# KiCad board GDI-4ch.kicad_pcb
title: GDI 4ch; date: 2023-05-14; rev: Rev. d; company: http://rusefi.com/
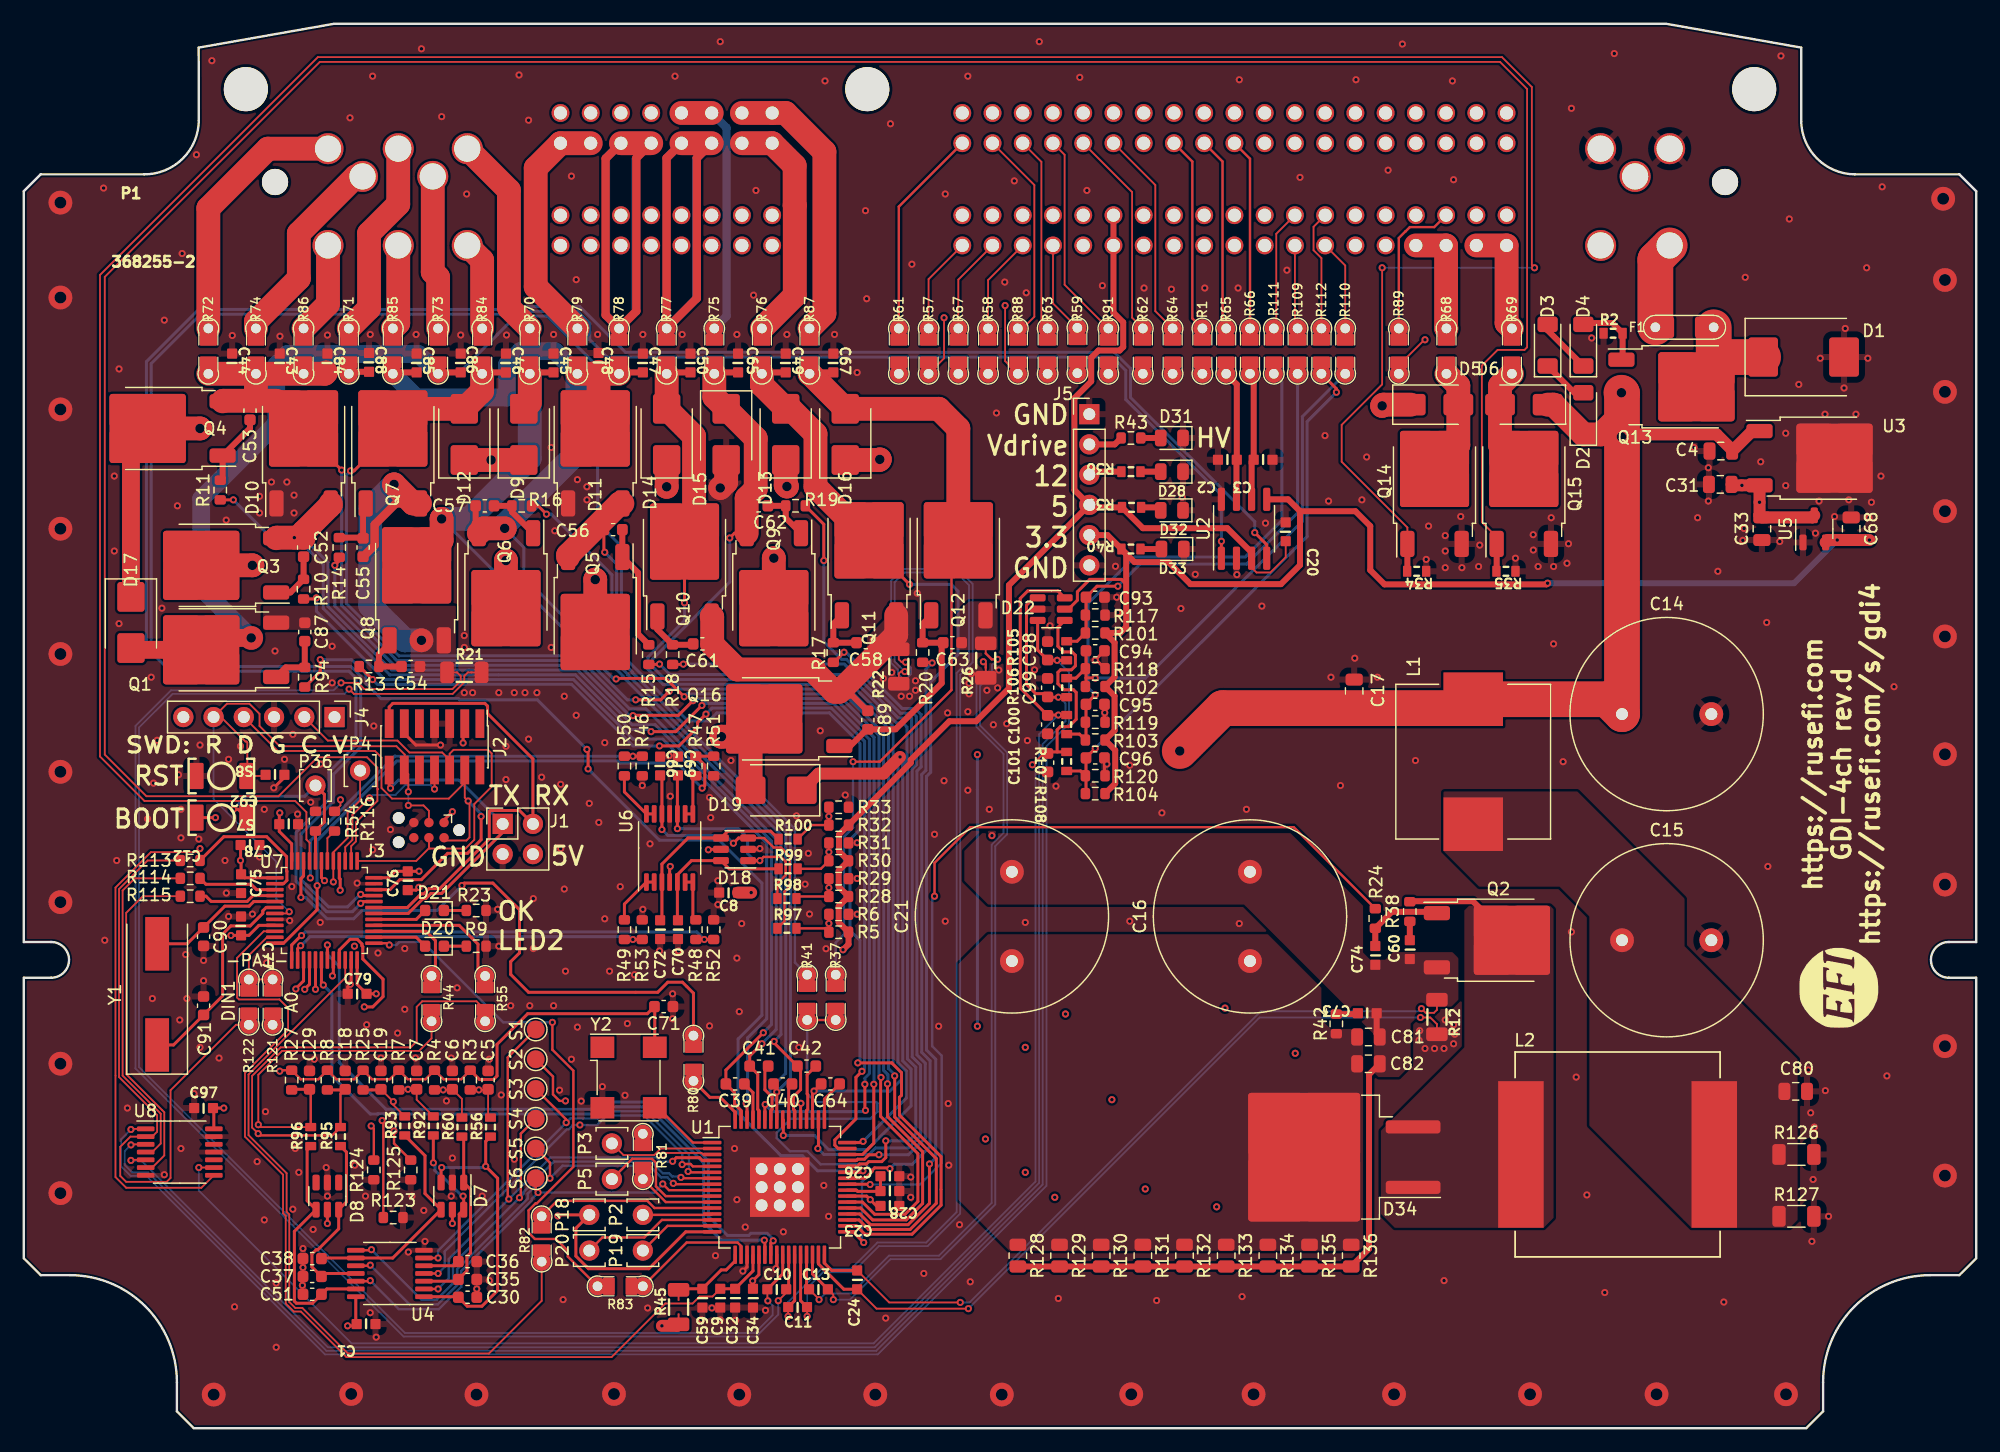
[diagram p0: board, top side]
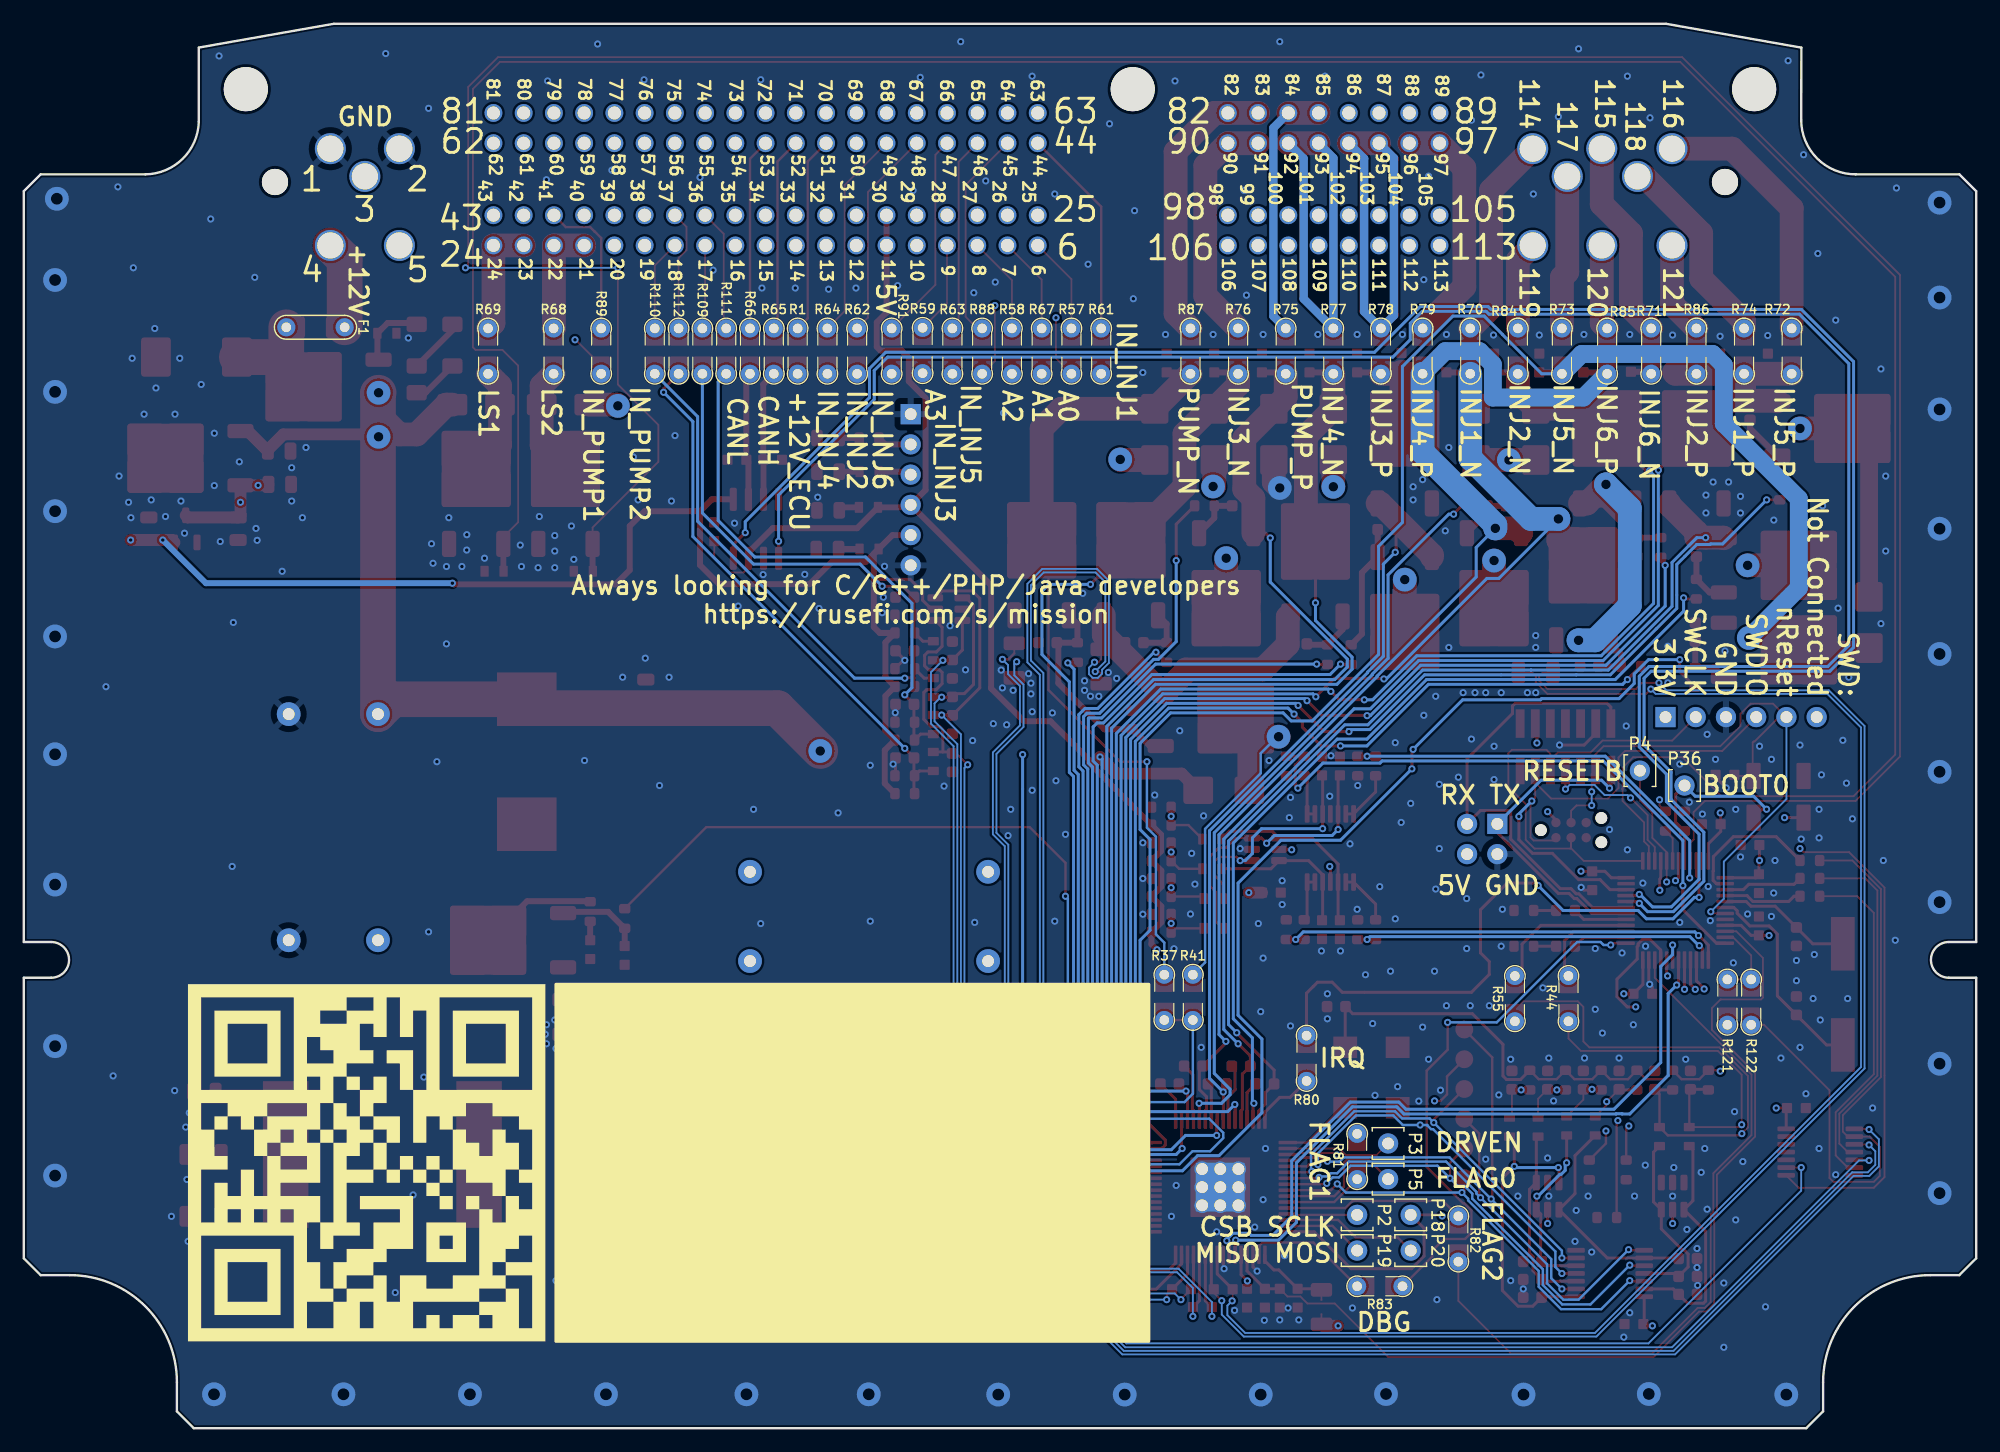
[diagram p1: board, bottom side, seen from below]

Outline 164 x 118 mm; copper layers: Top, GND (plane), PWR (plane), Bottom. Coordinates in mm from the lower left corner of the outline.
Outline path: 0,103.94 0,40.85 2.3,40.85 arc(3.8,39.35) 2.3,37.85 0,37.85 0,14.27 1.41,12.86 3.86,12.86 arc(10.22,10.22) 12.86,3.86 12.86,1.41 14.27,0 149.73,0 151.14,1.41 151.14,3.86 arc(153.78,10.22) 160.14,12.86 162.59,12.86 164,14.27 164,37.85 161.7,37.85 arc(160.2,39.35) 161.7,40.85 164,40.85 164,103.94 162.59,105.35 153.8,105.35 arc(150.65,106.66) 149.3,109.79 149.3,116 137.96,118 26.04,118 14.68,116 14.7,109.91 arc(13.35,106.68) 10.11,105.35 1.41,105.35 0,103.94
Stack: Top 0.035mm / dielectric 0.48mm FR4 er 4.5 / GND 0.035mm / dielectric 0.48mm FR4 er 4.5 / PWR 0.035mm / dielectric 0.48mm FR4 er 4.5 / Bottom 0.035mm

## Placement (name value [footprint] x y rotation side)
C1  100n  [C0603]  28.75 8.75 180 top
C2  47p  [C0603]  101.1 81.37 180 top
C3  47p  [C0603]  104.1 81.37 180 top
C4  10u  [C_0805_2012Metric]  142.55 82.1 0 top
C5  1000pF  [C_0603_1608Metric]  39 29.25 270 top
C6  1000pF  [C_0603_1608Metric]  36 29.25 270 top
C7  1000pF  [C_0603_1608Metric]  33 29.25 270 top
C8  100n  [C0603]  59.2 45 0 top
C9  1u  [C0603]  58.5 10.93 90 top
C10  330p  [C0603]  63.25 11.68 0 top
C11  330p  [C0603]  65 10.18 0 top
C12  4.7u  [C0603]  19 49 180 top
C13  330p  [C0603]  66.75 11.68 0 top
C14  1200uF  [C_Radial_D16.0mm_H25.0mm_P7.50mm]  134.25 60 0 top
C15  1200uF  [C_Radial_D16.0mm_H25.0mm_P7.50mm]  134.25 41 0 top
C16  470uF  [C_Radial_D16.0mm_H25.0mm_P7.50mm]  103 39.25 90 top
C17  0.22uF  [C_0805_2012Metric]  111.75 61.95 90 top
C18  1000pF  [C_0603_1608Metric]  27 29.25 270 top
C19  1000pF  [C_0603_1608Metric]  30 29.25 270 top
C20  100n  [C0603]  106 75.32 270 top
C21  470uF  [C_Radial_D16.0mm_H25.0mm_P7.50mm]  83 39.25 90 top
C23  100n  [C0603]  72.75 18.68 180 top
C24  330p  [C0603]  70 12.47 90 top
C26  4.7u  [C0603]  72.75 21.18 180 top
C28  100n  [C0603]  72.75 19.93 180 top
C29  1000pF  [C_0603_1608Metric]  24 29.25 270 top
C30  1000pF  [C_0603_1608Metric]  37.28 11 180 top
C31  10u  [C_0805_2012Metric]  142.5 79.3 0 top
C32  100n  [C0603]  59.75 10.93 90 top
C33  10u  [C_0805_2012Metric]  146 75.58 90 top
C34  100n  [C0603]  61.25 10.93 90 top
C35  1000pF  [C_0603_1608Metric]  37.28 12.5 180 top
C36  1000pF  [C_0603_1608Metric]  37.28 14 180 top
C37  1000pF  [C_0603_1608Metric]  24.22 12.75 0 top
C38  1000pF  [C_0603_1608Metric]  24.22 14.25 0 top
C39  0.33uF  [C_0603_1608Metric]  59.75 28.93 180 top
C40  0.33uF  [C_0603_1608Metric]  63.75 28.93 180 top
C41  0.33uF  [C_0603_1608Metric]  61.75 30.43 180 top
C42  0.33uF  [C_0603_1608Metric]  65.75 30.43 180 top
C43  4700p  [C0603]  21.5 89.5 270 top
C44  4700p  [C0603]  17.5 89.5 270 top
C45  4700p  [C0603]  44.5 89.5 270 top
C46  4700p  [C0603]  40.5 89.5 270 top
C47  4700p  [C0603]  52 89.5 270 top
C48  4700p  [C0603]  48.28 89.55 270 top
C49  4700p  [C0603]  64 89.5 270 top
C50  4700p  [C0603]  56 89.5 270 top
C51  1000pF  [C_0603_1608Metric]  24.22 11.25 0 top
C52  1000pF  [C_0603_1608Metric]  23.5 74 270 top
C53  1000pF  [C_0603_1608Metric]  19 85.5 270 top
C54  1000pF  [C_0603_1608Metric]  32.5 64 180 top
C55  1000pF  [C_0603_1608Metric]  28.5 74 90 top
C56  1000pF  [C_0603_1608Metric]  49.5 75.5 0 top
C57  1000pF  [C_0603_1608Metric]  38.72 77.5 0 top
C58  1000pF  [C_0603_1608Metric]  70.72 66 180 top
C59  100n  [C0603]  57 10.93 90 top
C60  330p  [C0603]  116.43 40.21 90 top
C61  1000pF  [C_0603_1608Metric]  57 65.9 180 top
C62  1000pF  [C_0603_1608Metric]  61.72 77.5 0 top
C63  1000pF  [C_0603_1608Metric]  78 66 180 top
C64  0.33uF  [C_0603_1608Metric]  67.75 28.93 180 top
C65  4700p  [C0603]  60 89.5 270 top
C66  100n  [C0603]  53.45 55.64 270 top
C67  4700p  [C0603]  68 89.5 270 top
C68  10u  [C_0805_2012Metric]  153.5 75.58 270 top
C69  100n  [C0603]  54.95 55.64 270 top
C70  100n  [C0603]  54.95 41.89 90 top
C71  1000pF  [C_0603_1608Metric]  53.75 35.43 180 top
C72  100n  [C0603]  53.45 41.89 90 top
C73  330p  [C0603]  112.85 34.87 180 top
C74  470p  [C0603]  113.53 39.73 90 top
C75  100n  [C0603]  18.25 45.75 90 top
C76  100n  [C0603]  32.25 46 90 top
C77  100n  [C0603]  18.25 42.2 270 top
C78  100n  [C0603]  22.25 50.75 180 top
C79  100n  [C0603]  28 36.5 0 top
C80  0.22uF  [C_0805_2012Metric]  148.84 28.3 0 top
C81  0.22uF  [C_0805_2012Metric]  112.95 32.87 0 top
C82  0.22uF  [C_0805_2012Metric]  112.95 30.62 0 top
C84  4700p  [C0603]  25.5 89.5 270 top
C85  4700p  [C0603]  33 89.5 270 top
C86  4700p  [C0603]  36.7 89.5 270 top
C87  1000pF  [C_0603_1608Metric]  23.6 66.9 270 top
C88  4700p  [C0603]  29 89.55 270 top
C89  1000pF  [C_0603_1608Metric]  70.9 59.5 270 top
C90  18pF  [C_0603_1608Metric]  15.1 41.3 270 top
C91  18pF  [C_0603_1608Metric]  15.1 35.5 90 top
C92  100n  [C0603]  21.1 54.9 180 top
C93  1000pF  [C_0603_1608Metric]  90 69.82 180 top
C94  1000pF  [C_0603_1608Metric]  90 65.32 180 top
C95  1000pF  [C_0603_1608Metric]  90 60.82 180 top
C96  1000pF  [C_0603_1608Metric]  90 56.32 180 top
C97  100n  [C0603]  15.1 26.9 0 top
C98  1000pF  [C_0603_1608Metric]  86 65.32 270 top
C99  1000pF  [C_0603_1608Metric]  86 62.22 270 top
C100  1000pF  [C_0603_1608Metric]  86 59.12 90 top
C101  1000pF  [C_0603_1608Metric]  86 55.92 90 top
D1  SMCJ22CA  [D_SMC]  149.5 90 0 top
D2  ZMM5V6  [D_MiniMELF]  131 85.25 90 top
D3  ZMM5V6  [D_MiniMELF]  128 91 90 top
D4  ZMM5V6  [D_MiniMELF]  131 91 90 top
D5  D_Schottky  [D_SMA]  118.5 86 0 top
D6  D_Schottky  [D_SMA]  126 86 180 top
D7  SRV05-4  [SOT-23-6]  36 19.5 270 top
D8  SRV05-4  [SOT-23-6]  25.5 19.5 270 top
D9  STPS2H100UY  [D_SMB]  42 83.5 90 top
D10  SBR10200CTL  [TO-252-2]  23.5 82.74 90 top
D11  SBR10200CTL  [TO-252-2]  48 82.74 90 top
D12  STPS2H100UY  [D_SMB]  37 83.5 90 top
D13  STPS2H100UY  [D_SMB]  64 83.5 90 top
D14  STPS2H100UY  [D_SMB]  54 83.5 90 top
D15  STPS2H100UY  [D_SMB]  59 83.5 270 top
D16  STPS2H100UY  [D_SMB]  69 83.5 90 top
D17  STPS2H100UY  [D_SMB]  9 67.7 270 top
D18  SRV05-4  [SOT-23-6]  59.7 48.64 180 top
D19  STPS2H100UY  [D_SMB]  63.2 53.6 180 top
D20  RED  [LED_0603_1608Metric]  34.5 40.5 180 top
D21  GREEN  [LED_0603_1608Metric]  34.5 43.5 180 top
D22  SRV05-4  [SOT-23-6]  86.3 68.82 0 top
D28  LED_Small  [LED_0805_2012Metric]  96.44 80.37 180 top
D31  LED_Small  [LED_0805_2012Metric]  96.44 83.2 180 top
D32  LED_Small  [LED_0805_2012Metric]  96.44 77.12 180 top
D33  LED_Small  [LED_0805_2012Metric]  96.5 73.87 180 top
D34  SDURB1020CT  [TO-263-2]  109.05 22.78 180 top
F1  Fuse-Pad-Pad  [PAD-1206-PAD]  139.5 92.5 0 top
G1  RUSEFI_LOGO  [rusefi_logo]  152.5 37 90 top
G***  -  [LOGO]  135.2 22.3 180 bottom
J1  Conn_02x02_Odd_Even  [PinHeader_2x02_P2.54mm_Vertical]  40.22 50.78 0 top
J2  FTSH-107-01-F-DV-K  [PinHeader_2x07_P1.27mm_Vertical_SMD]  34.5 57.25 270 top
J3  TC2030  [Tag-Connect_TC2030-IDC-NL_2x03_P1.27mm_Vertical]  34.03 50.25 180 top
J4  Conn_01x06  [PinHeader_1x06_P2.54mm_Vertical]  26.1 59.75 270 top
J5  Conn_01x06  [PinHeader_1x06_P2.54mm_Vertical]  89.5 85.2 0 top
L1  6.8uH  [L_Wuerth_HCI-1350]  121.75 56 270 top
L2  10uH  [L_Vishay_IHLP-6767]  133.88 23 180 top
P1  368255-2  [TE_368255-2]  25.49 99.38 0 top
P2  Pad  [PAD-TH]  52 17.93 90 top
P3  Pad  [PAD-TH]  49.4 23.93 90 top
P4  Pad  [PAD-TH]  28.25 55.25 0 top
P5  Pad  [PAD-TH]  49.4 20.93 90 top
P18  Pad  [PAD-TH]  47.5 17.93 90 top
P19  Pad  [PAD-TH]  52 14.93 90 top
P20  Pad  [PAD-TH]  47.5 14.93 90 top
P36  Pad  [PAD-TH]  24.5 54 0 top
Q1  BUK9230-100B  [TO-252-2]  16.16 65.4 180 top
Q2  BUK9230-100B  [TO-252-2]  123.74 41 0 top
Q3  BUK9230-100B  [TO-252-2]  16.16 72.5 180 top
Q4  BUK9230-100B  [TO-252-2]  11.66 84 180 top
Q5  BUK9230-100B  [TO-252-2]  48 68.16 270 top
Q6  BUK9230-100B  [TO-252-2]  40.5 70.16 270 top
Q7  BUK9230-100B  [TO-252-2]  31 82.74 90 top
Q8  BUK9230-100B  [TO-252-2]  33 71.24 90 top
Q9  BUK9230-100B  [TO-252-2]  71 73.34 90 top
Q10  BUK9230-100B  [TO-252-2]  55.5 73.24 90 top
Q11  BUK9230-100B  [TO-252-2]  63 70.16 270 top
Q12  BUK9230-100B  [TO-252-2]  78.5 73.34 90 top
Q13  AOD4185  [TO-252-2]  139.24 87.5 0 top
Q14  VND14NV04TR-E  [TO-252-2]  118.5 79.34 90 top
Q15  VND14NV04TR-E  [TO-252-2]  126 79.34 90 top
Q16  BUK9230-100B  [TO-252-2]  63.46 59.6 180 top
R1  DNP  [PAD-0805-PAD]  99 90.5 270 top
R2  10k  [R0603]  133.5 92 0 top
R3  1K  [R_0603_1608Metric]  37.5 29.25 270 top
R4  1K  [R_0603_1608Metric]  34.5 29.25 270 top
R5  DNP  [R_0603_1608Metric]  68.45 41.68 180 top
R6  470K  [R_0603_1608Metric]  68.45 43.18 0 top
R7  1K  [R_0603_1608Metric]  31.5 29.25 270 top
R8  1K  [R_0603_1608Metric]  25.5 29.25 270 top
R9  1K  [R_0603_1608Metric]  38 40.5 0 top
R10  10  [R_0603_1608Metric]  23.5 70.5 90 top
R11  10  [R_0603_1608Metric]  16.5 78.83 90 top
R12  0.01  [Shunt_1206]  118.7 34.55 270 top
R13  10  [R_0603_1608Metric]  29 64 0 top
R14  10  [R_0603_1608Metric]  26.5 74 90 top
R15  10  [R_0603_1608Metric]  52.5 65 90 top
R16  10  [R_0603_1608Metric]  41.83 77.5 180 top
R17  10  [R_0603_1608Metric]  68 65.18 90 top
R18  10  [R_0603_1608Metric]  54.5 65 90 top
R19  10  [R_0603_1608Metric]  64.82 77.5 180 top
R20  10  [R_0603_1608Metric]  75.5 65.18 90 top
R21  0.01  [Shunt_1206]  37 63.5 0 top
R22  0.01  [Shunt_1206]  73.5 64 270 top
R23  1K  [R_0603_1608Metric]  38 43.5 180 top
R24  10  [R_0603_1608Metric]  113.53 42.83 90 top
R25  1K  [R_0603_1608Metric]  28.5 29.25 270 top
R26  0.01  [Shunt_1206]  80.8 64.5 270 top
R27  1K  [R_0603_1608Metric]  22.5 29.25 270 top
R28  DNP  [R_0603_1608Metric]  68.45 44.68 180 top
R29  470K  [R_0603_1608Metric]  68.45 46.18 0 top
R30  DNP  [R_0603_1608Metric]  68.45 47.68 180 top
R31  470K  [R_0603_1608Metric]  68.45 49.18 0 top
R32  DNP  [R_0603_1608Metric]  68.45 50.68 180 top
R33  470K  [R_0603_1608Metric]  68.45 52.18 0 top
R34  10k  [R0603]  117 72 180 top
R35  10k  [R0603]  124.5 72 180 top
R36  5.1k  [R0603]  93 80.37 180 top
R37  Jumper-Pad-Pad  [PAD-0805-PAD]  68.2 36.2 270 top
R38  220  [R_0603_1608Metric]  116.43 43.41 90 top
R39  1.6k  [R0603]  93.05 77.37 180 top
R40  750  [R0603]  93 73.87 180 top
R41  DNP  [PAD-0805-PAD]  65.8 36.2 270 top
R42  5.1  [R_0603_1608Metric]  110.25 33.97 270 top
R43  75K  [R_0603_1608Metric]  93 83.2 180 top
R44  DNP  [PAD-0805-PAD]  34.25 36.1 90 top
R45  0.01  [Shunt_1206]  55 10.18 90 top
R46  6.8K  [R_0603_1608Metric]  50.45 55.64 270 top
R47  6.8K  [R_0603_1608Metric]  56.45 55.64 270 top
R48  6.8K  [R_0603_1608Metric]  56.45 41.89 90 top
R49  6.8K  [R_0603_1608Metric]  50.45 41.89 90 top
R50  10K  [R_0603_1608Metric]  51.95 55.64 90 top
R51  10K  [R_0603_1608Metric]  57.95 55.64 90 top
R52  10K  [R_0603_1608Metric]  57.95 41.89 270 top
R53  10K  [R_0603_1608Metric]  51.95 41.89 270 top
R54  10K  [R_0603_1608Metric]  24.5 51 90 top
R55  DNP  [PAD-0805-PAD]  38.75 36.1 90 top
R56  10k  [R0603]  39.2 25.3 90 top
R57  Jumper-Pad-Pad  [PAD-0805-PAD]  76 90.5 270 top
R58  Jumper-Pad-Pad  [PAD-0805-PAD]  81 90.5 270 top
R59  Jumper-Pad-Pad  [PAD-0805-PAD]  88.5 90.55 270 top
R60  10k  [R0603]  36.8 25.3 90 top
R61  Jumper-Pad-Pad  [PAD-0805-PAD]  73.5 90.5 270 top
R62  Jumper-Pad-Pad  [PAD-0805-PAD]  94 90.5 270 top
R63  Jumper-Pad-Pad  [PAD-0805-PAD]  86 90.5 270 top
R64  Jumper-Pad-Pad  [PAD-0805-PAD]  96.5 90.5 270 top
R65  Jumper-Pad-Pad  [PAD-0805-PAD]  101 90.5 270 top
R66  Jumper-Pad-Pad  [PAD-0805-PAD]  103 90.5 270 top
R67  Jumper-Pad-Pad  [PAD-0805-PAD]  78.5 90.5 270 top
R68  Jumper-Pad-Pad  [PAD-0805-PAD]  119.5 90.5 270 top
R69  Jumper-Pad-Pad  [PAD-0805-PAD]  125 90.5 270 top
R70  Jumper-Pad-Pad  [PAD-0805-PAD]  42.5 90.5 270 top
R71  Jumper-Pad-Pad  [PAD-0805-PAD]  27.3 90.5 270 top
R72  Jumper-Pad-Pad  [PAD-0805-PAD]  15.5 90.5 270 top
R73  Jumper-Pad-Pad  [PAD-0805-PAD]  34.8 90.5 270 top
R74  Jumper-Pad-Pad  [PAD-0805-PAD]  19.5 90.5 270 top
R75  Jumper-Pad-Pad  [PAD-0805-PAD]  58 90.5 270 top
R76  Jumper-Pad-Pad  [PAD-0805-PAD]  62 90.5 270 top
R77  Jumper-Pad-Pad  [PAD-0805-PAD]  54 90.5 270 top
R78  Jumper-Pad-Pad  [PAD-0805-PAD]  50 90.5 270 top
R79  Jumper-Pad-Pad  [PAD-0805-PAD]  46.5 90.5 270 top
R80  DNP  [PAD-0805-PAD]  56.25 31.08 90 top
R81  DNP  [PAD-0805-PAD]  52 22.83 90 top
R82  DNP  [PAD-0805-PAD]  43.5 15.9 270 top
R83  DNP  [PAD-0805-PAD]  50.09 11.93 180 top
R84  Jumper-Pad-Pad  [PAD-0805-PAD]  38.5 90.5 270 top
R85  Jumper-Pad-Pad  [PAD-0805-PAD]  31 90.5 270 top
R86  Jumper-Pad-Pad  [PAD-0805-PAD]  23.5 90.5 270 top
R87  Jumper-Pad-Pad  [PAD-0805-PAD]  66 90.5 270 top
R88  DNP  [PAD-0805-PAD]  83.5 90.5 270 top
R89  Jumper-Pad-Pad  [PAD-0805-PAD]  115.5 90.5 270 top
R91  Jumper-Pad-Pad  [PAD-0805-PAD]  91.1 90.5 270 top
R92  10k  [R0603]  34.4 25.4 90 top
R93  10k  [R0603]  32 25.4 90 top
R94  10  [R_0603_1608Metric]  23.6 63.1 90 top
R95  10k  [R0603]  26.6 24.5 90 top
R96  10k  [R0603]  24.1 24.5 90 top
R97  10k  [R0603]  64.1 42 0 top
R98  10k  [R0603]  64.1 44.5 0 top
R99  10k  [R0603]  64.2 47 0 top
R100  10k  [R0603]  64.2 49.5 0 top
R101  1K  [R_0603_1608Metric]  90 66.82 180 top
R102  1K  [R_0603_1608Metric]  90 62.32 180 top
R103  1K  [R_0603_1608Metric]  90 57.82 180 top
R104  1K  [R_0603_1608Metric]  90 53.32 180 top
R105  10k  [R0603]  87.6 65.32 90 top
R106  10k  [R0603]  87.6 62.22 90 top
R107  10k  [R0603]  87.6 59.12 270 top
R108  10k  [R0603]  87.6 56.02 270 top
R109  Jumper-Pad-Pad  [PAD-0805-PAD]  107 90.5 270 top
R110  Jumper-Pad-Pad  [PAD-0805-PAD]  111 90.5 270 top
R111  Jumper-Pad-Pad  [PAD-0805-PAD]  105 90.5 270 top
R112  Jumper-Pad-Pad  [PAD-0805-PAD]  109 90.5 270 top
R113  0  [R_0603_1608Metric]  13.97 47.7 180 top
R114  0  [R_0603_1608Metric]  13.97 46.2 180 top
R115  0  [R_0603_1608Metric]  13.97 44.7 180 top
R116  0  [R_0603_1608Metric]  26.1 51 270 top
R117  DNP  [R_0603_1608Metric]  90 68.32 180 top
R118  DNP  [R_0603_1608Metric]  90 63.82 180 top
R119  DNP  [R_0603_1608Metric]  90 59.32 180 top
R120  DNP  [R_0603_1608Metric]  90 54.82 180 top
R121  Jumper-Pad-Pad  [PAD-0805-PAD]  20.9 35.8 270 top
R122  DNP  [PAD-0805-PAD]  18.9 35.8 270 top
R123  1K  [R_0603_1608Metric]  31.03 17.7 0 top
R124  1K  [R_0603_1608Metric]  29.4 21.7 270 top
R125  1K  [R_0603_1608Metric]  32.5 21.7 270 top
R126  2K  [R_1206_3216Metric]  148.9 23 0 top
R127  2K  [R_1206_3216Metric]  148.9 17.8 0 top
R128  56k  [R_0805_2012Metric]  83.5 14.5 270 top
R129  56k  [R_0805_2012Metric]  87 14.5 270 top
R130  56k  [R_0805_2012Metric]  90.5 14.5 270 top
R131  56k  [R_0805_2012Metric]  94 14.5 270 top
R132  56k  [R_0805_2012Metric]  97.5 14.5 270 top
R133  56k  [R_0805_2012Metric]  101 14.5 270 top
R134  56k  [R_0805_2012Metric]  104.5 14.5 270 top
R135  56k  [R_0805_2012Metric]  108 14.5 270 top
R136  56k  [R_0805_2012Metric]  111.5 14.5 270 top
S1  TestPoint  [TestPoint_Pad_D1.5mm]  43 33.5 90 top
S2  TestPoint  [TestPoint_Pad_D1.5mm]  43 31 90 top
S3  TestPoint  [TestPoint_Pad_D1.5mm]  43 28.5 90 top
S4  TestPoint  [TestPoint_Pad_D1.5mm]  43 26 90 top
S5  TestPoint  [TestPoint_Pad_D1.5mm]  43 23.5 90 top
S6  TestPoint  [TestPoint_Pad_D1.5mm]  43 21 90 top
S7  Button_SPST  [SMD-2_2.9x3.9x1.7]  16.6 51.3 180 top
S8  Button_SPST  [SMD-2_2.9x3.9x1.7]  16.6 54.8 180 top
U1  MC33PT2001AE  [LQFP-64-1EP_10x10mm_P0.5mm_EP5x5mm_ThermalVias]  63.5 20.25 0 top
U2  TJA1051T-3  [SOIC-8_3.9x4.9mm_P1.27mm]  102.5 75.57 90 top
U3  LM78M05_TO252  [TO-252-2]  150.84 81.5 0 top
U4  74HC14PW,118  [TSSOP-14_4.4x5mm_P0.65mm]  30.75 13 180 top
U5  XC6206P332MR  [SOT-23-3]  150.4 75.56 90 top
U6  MCP6004  [TSSOP-14_4.4x5mm_P0.65mm]  54.25 48.75 90 top
U7  GD32F103CBT6  [LQFP-48_7x7mm_P0.5mm]  25.25 43.5 0 top
U8  74HC14PW,118  [TSSOP-14_4.4x5mm_P0.65mm]  13.1 23.2 0 top
Y1  8MHz  [Crystal_SMD_HC49-SD]  11.2 36.45 90 top
Y2  1MHz  [Oscillator_SMD_Diodes_FN-4Pin_7.0x5.0mm]  50.8 29.47 0 top

## Library data of the parts
C1 C8 C20 C23 C28 C32 C34 C59 C66 C69 C70 C72 C75-C79 C92 C97 = -: Description: Capacitor; LCSC: C14663
C2 C3 = -: Description: Capacitor; LCSC: C1671
C4 C31 C33 C68 = -: Description: Capacitor; LCSC: C15850
C5-C7 C18 C19 C29 C30 C35-C38 C51-C58 C61-C63 C71 C87 C89 C93-C96 C98-C101 = -: Description: Unpolarized capacitor; LCSC: C106247
C9 = -: Description: Capacitor; LCSC: C15849
C10 C11 C13 C24 C60 C73 = -: Description: Capacitor; LCSC: C576850
C12 C26 = -: Description: Capacitor; LCSC: C19666
C14 C15 = -: Description: Polarized capacitor, US symbol; LCSC: C5111952
C16 C21 = -: Description: Polarized capacitor, US symbol; LCSC: C5110766
C17 C80-C82 = -: Description: Unpolarized capacitor; LCSC: C342873
C39-C42 C64 = -: Description: Unpolarized capacitor; LCSC: C1615
C43-C50 C65 C67 C84-C86 C88 = -: Description: Capacitor; LCSC: C342899
C74 = -: Description: Capacitor; LCSC: C525649
C90 C91 = -: Description: Unpolarized capacitor; LCSC: C1647
D1 = -: Description: Bidirectional transient-voltage-suppression diode; LCSC: C310038
D2-D4 = -: Description: Zener diode; LCSC: C8062
D5 D6 = -: Description: Schottky diode; LCSC: C8678; LCSC_ext: 0
D7 D8 D18 D22 = -: Description: Transient voltage suppressor designed to protect high speed data lines from ESD, EFT, and lightning; LCSC: C85364
D9 D12-D17 D19 = -: Description: Schottky diode, small symbol; LCSC: C163541
D10 D11 = -: Description: Dual Schottky diode, common cathode on pin 2; LCSC: C135494
D20 = -: Description: Light emitting diode; LCSC: C2286
D21 = -: Description: Light emitting diode; LCSC: C72043
D28 D31-D33 = -: Description: Light emitting diode, small symbol; LCSC: C2296
D34 = -: Description: Schottky diode, anode on pins 1 and 3; LCSC: C260365
F1 = -: Description: 12H1500D; LCSC: C310989; MyComment: 10A
J1 = -: Description: Generic connector, double row, 02x02, odd/even pin numbering scheme (row 1 odd numbers, row 2 even numbers), script generated (kicad-library-utils/schlib/autogen/connector/); LCSC: C66690
J2 = -: Description: Generic connector, double row, 02x07, odd/even pin numbering scheme (row 1 odd numbers, row 2 even numbers), script generated (kicad-library-utils/schlib/autogen/connector/)
J3 = -: Description: Generic connector, double row, 02x03, odd/even pin numbering scheme (row 1 odd numbers, row 2 even numbers), script generated (kicad-library-utils/schlib/autogen/connector/)
J4 J5 = -: Description: Generic connector, single row, 01x06, script generated (kicad-library-utils/schlib/autogen/connector/); LCSC: C5156615
L1 = -: Description: Inductor; LCSC: C380073
L2 = -: Description: Inductor; LCSC: C237980
P1 = -: LCSC: C392284
P2-P5 P18-P20 P36 = -: Description: Generic connector, single row, 01x01, script generated (kicad-library-utils/schlib/autogen/connector/)
Q1-Q12 Q16 = -: Description: N-MOSFET transistor, gate/drain/source; LCSC: C89735; MFG,MFG#: Nexperia,BUK9230-100B; VEND1,VEND1#: DIGI,1727-4708-1-ND; VEND2,VEND2#: ,
Q13 = -: Description: -35A Id, -60V Vds, P-Channel Power MOSFET, 25mOhm Ron, 25.0nC Qg (typ), TO252; LCSC: C400894
Q14 Q15 = -: Description: Fully autoprotected Power MOSFET; LCSC: C2649436
R2 R34 R35 R56 R60 R92 R93 R95-R100 R105-R108 = -: Description: Resistor; LCSC: C25804
R3 R4 R7-R9 R23 R25 R27 R101-R104 R123-R125 = -: Description: Resistor; LCSC: C21190
R5 R28 R30 R32 R117-R120 = -: Description: Resistor
R6 R29 R31 R33 = -: Description: Resistor; LCSC: C23178
R10 R11 R13-R20 R24 R94 = -: Description: Resistor; LCSC: C22859
R12 R21 R22 R26 R45 = -: Description: Shunt resistor; LCSC: C309628
R36 = -: Description: Resistor; LCSC: C23186
R37 R57-R59 R61-R79 R84-R87 R89 R91 R109-R112 R121 = -: LCSC: C17477
R38 = -: Description: Resistor; LCSC: C22962
R39 = -: Description: Resistor; LCSC: C22847
R40 = -: Description: Resistor; LCSC: C23241
R42 = -: Description: Resistor; LCSC: C25197
R43 = -: Description: Resistor; LCSC: C23242
R46-R49 = -: Description: Resistor; LCSC: C23212